# KiCad board untitled.kicad_pcb (continued)
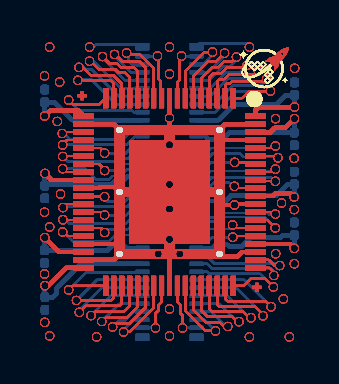
[diagram p0: board, top side]
## Routing (per net, layer and track width the routed paths; a pad name or vN(x,y) marks a point on that pad's centre or on a via; arc(x,y) is an arc through that point) (continued)
/PIN 27: length 361.8
  Top w0.2: 0.18,0.89 1.07,1.78 ; 0.18,0.89 v1(0.02,0.89) ; 0.18,0.89 1.07,1.78 ; 0.18,0.89 v1(0.02,0.89) ; 0.18,0.89 1.07,1.78 ; 0.18,0.89 v1(0.02,0.89) ; 0.18,0.89 1.07,1.78 ; 0.18,0.89 1.07,1.78 ; 0.18,0.89 v1(0.02,0.89) ; 0.18,0.89 1.07,1.78 ; 0.18,0.89 1.07,1.78 ; 0.18,0.89 v1(0.02,0.89) ; 0.18,0.89 1.07,1.78 ; 0.18,0.89 v1(0.02,0.89) ; 0.18,0.89 v1(0.02,0.89) ; 0.18,0.89 1.07,1.78 ; 0.18,0.89 1.07,1.78 ; 0.18,0.89 1.07,1.78 ; 0.18,0.89 v1(0.02,0.89) ; 0.18,0.89 1.07,1.78 ; 0.18,0.89 1.07,1.78 ; 0.18,0.89 v1(0.02,0.89) ; 0.18,0.89 v1(0.02,0.89) ; 0.18,0.89 v1(0.02,0.89) ; 0.18,0.89 v1(0.02,0.89) ; 0.18,0.89 v1(0.02,0.89) ; 0.18,0.89 1.07,1.78 ; 0.18,0.89 v1(0.02,0.89) ; 0.18,0.89 v1(0.02,0.89) ; 0.18,0.89 1.07,1.78 ; 0.18,0.89 1.07,1.78 ; 0.18,0.89 1.07,1.78 ; 0.18,0.89 1.07,1.78 ; 0.18,0.89 v1(0.02,0.89) ; 0.18,0.89 1.07,1.78 ; 0.18,0.89 1.07,1.78 ; 0.18,0.89 v1(0.02,0.89) ; 0.18,0.89 v1(0.02,0.89) ; 0.18,0.89 1.07,1.78 ; 0.18,0.89 v1(0.02,0.89) ; 0.18,0.89 v1(0.02,0.89) ; 0.18,0.89 v1(0.02,0.89) ; 0.18,0.89 1.07,1.78 ; 0.18,0.89 v1(0.02,0.89) ; 0.18,0.89 v1(0.02,0.89) ; 0.18,0.89 v1(0.02,0.89) ; 0.18,0.89 1.07,1.78 ; 0.18,0.89 v1(0.02,0.89) ; 0.18,0.89 v1(0.02,0.89) ; 0.18,0.89 v1(0.02,0.89) ; 0.18,0.89 v1(0.02,0.89) ; 0.18,0.89 v1(0.02,0.89) ; 0.18,0.89 1.07,1.78 ; 0.18,0.89 v1(0.02,0.89) ; 0.18,0.89 v1(0.02,0.89) ; 0.18,0.89 v1(0.02,0.89) ; 0.18,0.89 1.07,1.78 ; 0.18,0.89 v1(0.02,0.89) ; 0.18,0.89 1.07,1.78 ; 0.18,0.89 1.07,1.78 ; 0.18,0.89 v1(0.02,0.89) ; 0.18,0.89 1.07,1.78 ; 0.18,0.89 v1(0.02,0.89) ; 0.18,0.89 1.07,1.78 ; 0.18,0.89 1.07,1.78 ; 0.18,0.89 v1(0.02,0.89) ; 0.18,0.89 v1(0.02,0.89) ; 0.18,0.89 1.07,1.78 ; 0.18,0.89 1.07,1.78 ; 0.18,0.89 v1(0.02,0.89) ; 0.18,0.89 1.07,1.78 ; 0.18,0.89 1.07,1.78 ; 0.18,0.89 1.07,1.78 ; 0.18,0.89 1.07,1.78 ; 0.18,0.89 1.07,1.78 ; 0.18,0.89 1.07,1.78 ; 0.18,0.89 1.07,1.78 ; 0.18,0.89 1.07,1.78 ; 0.18,0.89 v1(0.02,0.89) ; 0.18,0.89 1.07,1.78 ; 0.18,0.89 v1(0.02,0.89) ; 0.18,0.89 1.07,1.78 ; 0.18,0.89 v1(0.02,0.89) ; 0.18,0.89 v1(0.02,0.89) ; 1.07,1.78 J158.37 ; 1.07,1.78 J158.37 ; 1.07,1.78 J158.37 ; 1.07,1.78 J158.37 ; 1.07,1.78 J158.37 ; 1.07,1.78 J158.37 ; 1.07,1.78 J158.37 ; 1.07,1.78 J158.37 ; 1.07,1.78 J158.37 ; 1.07,1.78 J158.37 ; 1.07,1.78 J158.37 ; 1.07,1.78 J158.37 ; 1.07,1.78 J158.37 ; 1.07,1.78 J158.37 ; 1.07,1.78 J158.37 ; 1.07,1.78 J158.37 ; 1.07,1.78 J158.37 ; 1.07,1.78 J158.37 ; 1.07,1.78 J158.37 ; 1.07,1.78 J158.37 ; 1.07,1.78 J158.37 ; 1.07,1.78 J158.37 ; 1.07,1.78 J158.37 ; 1.07,1.78 J158.37 ; 1.07,1.78 J158.37 ; 1.07,1.78 J158.37 ; 1.07,1.78 J158.37 ; 1.07,1.78 J158.37 ; 1.07,1.78 J158.37 ; 1.07,1.78 J158.37 ; 1.07,1.78 J158.37 ; 1.07,1.78 J158.37 ; 1.07,1.78 J158.37 ; 1.07,1.78 J158.37 ; 1.07,1.78 J158.37 ; 1.07,1.78 J158.37 ; 1.07,1.78 J158.37 ; 1.07,1.78 J158.37 ; 1.07,1.78 J158.37 ; 1.07,1.78 J158.37 ; 1.07,1.78 J158.37 ; 1.07,1.78 J158.37
  Bottom w0.2: 1.81,1.98 J173.44 ; 1.81,1.98 0.62,0.79 ; 1.81,1.98 0.62,0.79 ; 1.81,1.98 J173.44 ; 1.81,1.98 J173.44 ; 1.81,1.98 0.62,0.79 ; 1.81,1.98 J173.44 ; 1.81,1.98 0.62,0.79 ; 1.81,1.98 J173.44 ; 1.81,1.98 0.62,0.79 ; 1.81,1.98 0.62,0.79 ; 1.81,1.98 0.62,0.79 ; 1.81,1.98 J173.44 ; 1.81,1.98 J173.44 ; 1.81,1.98 0.62,0.79 ; 1.81,1.98 0.62,0.79 ; 1.81,1.98 0.62,0.79 ; 1.81,1.98 0.62,0.79 ; 1.81,1.98 0.62,0.79 ; 1.81,1.98 J173.44 ; 1.81,1.98 0.62,0.79 ; 1.81,1.98 J173.44 ; 1.81,1.98 0.62,0.79 ; 1.81,1.98 0.62,0.79 ; 1.81,1.98 J173.44 ; 1.81,1.98 0.62,0.79 ; 1.81,1.98 J173.44 ; 1.81,1.98 J173.44 ; 1.81,1.98 0.62,0.79 ; 1.81,1.98 J173.44 ; 1.81,1.98 J173.44 ; 1.81,1.98 0.62,0.79 ; 1.81,1.98 0.62,0.79 ; 1.81,1.98 0.62,0.79 ; 1.81,1.98 0.62,0.79 ; 1.81,1.98 J173.44 ; 1.81,1.98 J173.44 ; 1.81,1.98 J173.44 ; 1.81,1.98 J173.44 ; 1.81,1.98 0.62,0.79 ; 1.81,1.98 0.62,0.79 ; 1.81,1.98 0.62,0.79 ; 1.81,1.98 0.62,0.79 ; 1.81,1.98 J173.44 ; 1.81,1.98 0.62,0.79 ; 1.81,1.98 J173.44 ; 1.81,1.98 J173.44 ; 1.81,1.98 J173.44 ; 1.81,1.98 J173.44 ; 1.81,1.98 J173.44 ; 1.81,1.98 0.62,0.79 ; 1.81,1.98 J173.44 ; 1.81,1.98 J173.44 ; 1.81,1.98 J173.44 ; 1.81,1.98 J173.44 ; 1.81,1.98 J173.44 ; 1.81,1.98 J173.44 ; 1.81,1.98 0.62,0.79 ; 1.81,1.98 0.62,0.79 ; 1.81,1.98 J173.44 ; 1.81,1.98 J173.44 ; 1.81,1.98 0.62,0.79 ; 1.81,1.98 J173.44 ; 1.81,1.98 0.62,0.79 ; 1.81,1.98 0.62,0.79 ; 1.81,1.98 J173.44 ; 1.81,1.98 0.62,0.79 ; 1.81,1.98 J173.44 ; 1.81,1.98 0.62,0.79 ; 1.81,1.98 0.62,0.79 ; 1.81,1.98 0.62,0.79 ; 1.81,1.98 J173.44 ; 1.81,1.98 J173.44 ; 1.81,1.98 J173.44 ; 1.81,1.98 0.62,0.79 ; 1.81,1.98 0.62,0.79 ; 1.81,1.98 J173.44 ; 1.81,1.98 J173.44 ; 1.81,1.98 J173.44 ; 1.81,1.98 0.62,0.79 ; 1.81,1.98 0.62,0.79 ; 1.81,1.98 0.62,0.79 ; 1.81,1.98 J173.44 ; 1.81,1.98 0.62,0.79 ; 0.62,0.79 0.62,0.51 ; 0.62,0.79 0.62,0.51 ; 0.62,0.79 0.62,0.51 ; 0.62,0.79 0.62,0.51 ; 0.62,0.79 0.62,0.51 ; 0.62,0.79 0.62,0.51 ; 0.62,0.79 0.62,0.51 ; 0.62,0.79 0.62,0.51 ; 0.62,0.79 0.62,0.51 ; 0.62,0.79 0.62,0.51 ; 0.62,0.79 0.62,0.51 ; 0.62,0.79 0.62,0.51 ; 0.62,0.79 0.62,0.51 ; 0.62,0.79 0.62,0.51 ; 0.62,0.79 0.62,0.51 ; 0.62,0.79 0.62,0.51 ; 0.62,0.79 0.62,0.51 ; 0.62,0.79 0.62,0.51 ; 0.62,0.79 0.62,0.51 ; 0.62,0.79 0.62,0.51 ; 0.62,0.79 0.62,0.51 ; 0.62,0.79 0.62,0.51 ; 0.62,0.79 0.62,0.51 ; 0.62,0.79 0.62,0.51 ; 0.62,0.79 0.62,0.51 ; 0.62,0.79 0.62,0.51 ; 0.62,0.79 0.62,0.51 ; 0.62,0.79 0.62,0.51 ; 0.62,0.79 0.62,0.51 ; 0.62,0.79 0.62,0.51 ; 0.62,0.79 0.62,0.51 ; 0.62,0.79 0.62,0.51 ; 0.62,0.79 0.62,0.51 ; 0.62,0.79 0.62,0.51 ; 0.62,0.79 0.62,0.51 ; 0.62,0.79 0.62,0.51 ; 0.62,0.79 0.62,0.51 ; 0.62,0.79 0.62,0.51 ; 0.62,0.79 0.62,0.51 ; 0.62,0.79 0.62,0.51 ; 0.62,0.79 0.62,0.51 ; 0.62,0.79 0.62,0.51 ; 0.43,0.32 0.62,0.51 ; 0.43,0.32 0.62,0.51 ; 0.43,0.32 C269.1 ; 0.43,0.32 0.62,0.51 ; 0.43,0.32 0.62,0.51 ; 0.43,0.32 0.62,0.51 ; 0.43,0.32 C269.1 ; 0.43,0.32 C269.1 ; 0.43,0.32 0.62,0.51 ; 0.43,0.32 0.62,0.51 ; 0.43,0.32 0.62,0.51 ; 0.43,0.32 0.62,0.51 ; 0.43,0.32 0.62,0.51 ; 0.43,0.32 0.62,0.51 ; 0.43,0.32 C269.1 ; 0.43,0.32 C269.1 ; 0.43,0.32 C269.1 ; 0.43,0.32 C269.1 ; 0.43,0.32 C269.1 ; 0.43,0.32 0.62,0.51 ; 0.43,0.32 0.62,0.51 ; 0.43,0.32 0.62,0.51 ; 0.43,0.32 0.62,0.51 ; 0.43,0.32 C269.1 ; 0.43,0.32 0.62,0.51 ; 0.43,0.32 0.62,0.51 ; 0.43,0.32 C269.1 ; 0.43,0.32 C269.1 ; 0.43,0.32 0.62,0.51 ; 0.43,0.32 0.62,0.51 ; 0.43,0.32 C269.1 ; 0.43,0.32 C269.1 ; 0.43,0.32 C269.1 ; 0.43,0.32 C269.1 ; 0.43,0.32 C269.1 ; 0.43,0.32 0.62,0.51 ; 0.43,0.32 0.62,0.51 ; 0.43,0.32 C269.1 ; 0.43,0.32 0.62,0.51 ; 0.43,0.32 C269.1 ; 0.43,0.32 0.62,0.51 ; 0.43,0.32 0.62,0.51 ; 0.43,0.32 C269.1 ; 0.43,0.32 C269.1 ; 0.43,0.32 C269.1 ; 0.43,0.32 C269.1 ; 0.43,0.32 0.62,0.51 ; 0.43,0.32 0.62,0.51 ; 0.43,0.32 0.62,0.51 ; 0.43,0.32 C269.1 ; 0.43,0.32 0.62,0.51 ; 0.43,0.32 0.62,0.51 ; 0.43,0.32 0.62,0.51 ; 0.43,0.32 C269.1 ; 0.43,0.32 C269.1 ; 0.43,0.32 C269.1 ; 0.43,0.32 0.62,0.51 ; 0.43,0.32 C269.1 ; 0.43,0.32 C269.1 ; 0.43,0.32 C269.1 ; 0.43,0.32 0.62,0.51 ; 0.43,0.32 C269.1 ; 0.43,0.32 C269.1 ; 0.43,0.32 C269.1 ; 0.43,0.32 0.62,0.51 ; 0.43,0.32 0.62,0.51 ; 0.43,0.32 C269.1 ; 0.43,0.32 C269.1 ; 0.43,0.32 C269.1 ; 0.43,0.32 0.62,0.51 ; 0.43,0.32 0.62,0.51 ; 0.43,0.32 0.62,0.51 ; 0.43,0.32 0.62,0.51 ; 0.43,0.32 0.62,0.51 ; 0.43,0.32 0.62,0.51 ; 0.43,0.32 C269.1 ; 0.43,0.32 C269.1 ; 0.43,0.32 C269.1 ; 0.43,0.32 C269.1 ; 0.43,0.32 C269.1 ; 0.43,0.32 C269.1 ; 0.43,0.32 C269.1 ; 0.43,0.32 0.62,0.51 ; 0.43,0.32 0.62,0.51 ; C269.1 v1(0.02,0.89) ; C269.1 v1(0.02,0.89) ; C269.1 v1(0.02,0.89) ; C269.1 v1(0.02,0.89) ; C269.1 v1(0.02,0.89) ; C269.1 v1(0.02,0.89) ; C269.1 v1(0.02,0.89) ; C269.1 v1(0.02,0.89) ; C269.1 v1(0.02,0.89) ; C269.1 v1(0.02,0.89) ; C269.1 v1(0.02,0.89) ; C269.1 v1(0.02,0.89) ; C269.1 v1(0.02,0.89) ; C269.1 v1(0.02,0.89) ; C269.1 v1(0.02,0.89) ; C269.1 v1(0.02,0.89) ; C269.1 v1(0.02,0.89) ; C269.1 v1(0.02,0.89) ; C269.1 v1(0.02,0.89) ; C269.1 v1(0.02,0.89) ; C269.1 v1(0.02,0.89) ; C269.1 v1(0.02,0.89) ; C269.1 v1(0.02,0.89) ; C269.1 v1(0.02,0.89) ; C269.1 v1(0.02,0.89) ; C269.1 v1(0.02,0.89) ; C269.1 v1(0.02,0.89) ; C269.1 v1(0.02,0.89) ; C269.1 v1(0.02,0.89) ; C269.1 v1(0.02,0.89) ; C269.1 v1(0.02,0.89) ; C269.1 v1(0.02,0.89) ; C269.1 v1(0.02,0.89) ; C269.1 v1(0.02,0.89) ; C269.1 v1(0.02,0.89) ; C269.1 v1(0.02,0.89) ; C269.1 v1(0.02,0.89) ; C269.1 v1(0.02,0.89) ; C269.1 v1(0.02,0.89) ; C269.1 v1(0.02,0.89) ; C269.1 v1(0.02,0.89) ; C269.1 v1(0.02,0.89)
/PIN 28: length 252
  Top w0.1: J158.38 1.41,0.88 ; J158.38 1.41,0.88 ; J158.38 1.41,0.88 ; J158.38 1.41,0.88 ; J158.38 1.41,0.88 ; J158.38 1.41,0.88 ; J158.38 1.41,0.88 ; J158.38 1.41,0.88 ; J158.38 1.41,0.88 ; J158.38 1.41,0.88 ; J158.38 1.41,0.88 ; J158.38 1.41,0.88 ; J158.38 1.41,0.88 ; J158.38 1.41,0.88 ; J158.38 1.41,0.88 ; J158.38 1.41,0.88 ; J158.38 1.41,0.88 ; J158.38 1.41,0.88 ; J158.38 1.41,0.88 ; J158.38 1.41,0.88 ; J158.38 1.41,0.88 ; J158.38 1.41,0.88 ; J158.38 1.41,0.88 ; J158.38 1.41,0.88 ; J158.38 1.41,0.88 ; J158.38 1.41,0.88 ; J158.38 1.41,0.88 ; J158.38 1.41,0.88 ; J158.38 1.41,0.88 ; J158.38 1.41,0.88 ; J158.38 1.41,0.88 ; J158.38 1.41,0.88 ; J158.38 1.41,0.88 ; J158.38 1.41,0.88 ; J158.38 1.41,0.88 ; J158.38 1.41,0.88 ; J158.38 1.41,0.88 ; J158.38 1.41,0.88 ; J158.38 1.41,0.88 ; J158.38 1.41,0.88 ; J158.38 1.41,0.88 ; J158.38 1.41,0.88 ; 1.41,0.88 v1(1.21,0.68) ; 1.41,0.88 v1(1.21,0.68) ; 1.41,0.88 v1(1.21,0.68) ; 1.41,0.88 v1(1.21,0.68) ; 1.41,0.88 v1(1.21,0.68) ; 1.41,0.88 v1(1.21,0.68) ; 1.41,0.88 v1(1.21,0.68) ; 1.41,0.88 v1(1.21,0.68) ; 1.41,0.88 v1(1.21,0.68) ; 1.41,0.88 v1(1.21,0.68) ; 1.41,0.88 v1(1.21,0.68) ; 1.41,0.88 v1(1.21,0.68) ; 1.41,0.88 v1(1.21,0.68) ; 1.41,0.88 v1(1.21,0.68) ; 1.41,0.88 v1(1.21,0.68) ; 1.41,0.88 v1(1.21,0.68) ; 1.41,0.88 v1(1.21,0.68) ; 1.41,0.88 v1(1.21,0.68) ; 1.41,0.88 v1(1.21,0.68) ; 1.41,0.88 v1(1.21,0.68) ; 1.41,0.88 v1(1.21,0.68) ; 1.41,0.88 v1(1.21,0.68) ; 1.41,0.88 v1(1.21,0.68) ; 1.41,0.88 v1(1.21,0.68) ; 1.41,0.88 v1(1.21,0.68) ; 1.41,0.88 v1(1.21,0.68) ; 1.41,0.88 v1(1.21,0.68) ; 1.41,0.88 v1(1.21,0.68) ; 1.41,0.88 v1(1.21,0.68) ; 1.41,0.88 v1(1.21,0.68) ; 1.41,0.88 v1(1.21,0.68) ; 1.41,0.88 v1(1.21,0.68) ; 1.41,0.88 v1(1.21,0.68) ; 1.41,0.88 v1(1.21,0.68) ; 1.41,0.88 v1(1.21,0.68) ; 1.41,0.88 v1(1.21,0.68) ; 1.41,0.88 v1(1.21,0.68) ; 1.41,0.88 v1(1.21,0.68) ; 1.41,0.88 v1(1.21,0.68) ; 1.41,0.88 v1(1.21,0.68) ; 1.41,0.88 v1(1.21,0.68) ; 1.41,0.88 v1(1.21,0.68)
  Bottom w0.1: v1(1.21,0.68) 2.1,1.57 ; v1(1.21,0.68) 2.1,1.57 ; v1(1.21,0.68) 2.1,1.57 ; v1(1.21,0.68) 2.1,1.57 ; v1(1.21,0.68) 2.1,1.57 ; v1(1.21,0.68) 2.1,1.57 ; v1(1.21,0.68) 2.1,1.57 ; v1(1.21,0.68) 2.1,1.57 ; v1(1.21,0.68) 2.1,1.57 ; v1(1.21,0.68) 2.1,1.57 ; v1(1.21,0.68) 2.1,1.57 ; v1(1.21,0.68) 2.1,1.57 ; v1(1.21,0.68) 2.1,1.57 ; v1(1.21,0.68) 2.1,1.57 ; v1(1.21,0.68) 2.1,1.57 ; v1(1.21,0.68) 2.1,1.57 ; v1(1.21,0.68) 2.1,1.57 ; v1(1.21,0.68) 2.1,1.57 ; v1(1.21,0.68) 2.1,1.57 ; v1(1.21,0.68) 2.1,1.57 ; v1(1.21,0.68) 2.1,1.57 ; v1(1.21,0.68) 2.1,1.57 ; v1(1.21,0.68) 2.1,1.57 ; v1(1.21,0.68) 2.1,1.57 ; v1(1.21,0.68) 2.1,1.57 ; v1(1.21,0.68) 2.1,1.57 ; v1(1.21,0.68) 2.1,1.57 ; v1(1.21,0.68) 2.1,1.57 ; v1(1.21,0.68) 2.1,1.57 ; v1(1.21,0.68) 2.1,1.57 ; v1(1.21,0.68) 2.1,1.57 ; v1(1.21,0.68) 2.1,1.57 ; v1(1.21,0.68) 2.1,1.57 ; v1(1.21,0.68) 2.1,1.57 ; v1(1.21,0.68) 2.1,1.57 ; v1(1.21,0.68) 2.1,1.57 ; v1(1.21,0.68) 2.1,1.57 ; v1(1.21,0.68) 2.1,1.57 ; v1(1.21,0.68) 2.1,1.57 ; v1(1.21,0.68) 2.1,1.57 ; v1(1.21,0.68) 2.1,1.57 ; v1(1.21,0.68) 2.1,1.57 ; 2.1,1.57 4.89,1.57 ; 2.1,1.57 4.89,1.57 ; 2.1,1.57 4.89,1.57 ; 2.1,1.57 4.89,1.57 ; 2.1,1.57 4.89,1.57 ; 2.1,1.57 4.89,1.57 ; 2.1,1.57 4.89,1.57 ; 2.1,1.57 4.89,1.57 ; 2.1,1.57 4.89,1.57 ; 2.1,1.57 4.89,1.57 ; 2.1,1.57 4.89,1.57 ; 2.1,1.57 4.89,1.57 ; 2.1,1.57 4.89,1.57 ; 2.1,1.57 4.89,1.57 ; 2.1,1.57 4.89,1.57 ; 2.1,1.57 4.89,1.57 ; 2.1,1.57 4.89,1.57 ; 2.1,1.57 4.89,1.57 ; 2.1,1.57 4.89,1.57 ; 2.1,1.57 4.89,1.57 ; 2.1,1.57 4.89,1.57 ; 2.1,1.57 4.89,1.57 ; 2.1,1.57 4.89,1.57 ; 2.1,1.57 4.89,1.57 ; 2.1,1.57 4.89,1.57 ; 2.1,1.57 4.89,1.57 ; 2.1,1.57 4.89,1.57 ; 2.1,1.57 4.89,1.57 ; 2.1,1.57 4.89,1.57 ; 2.1,1.57 4.89,1.57 ; 2.1,1.57 4.89,1.57 ; 2.1,1.57 4.89,1.57 ; 2.1,1.57 4.89,1.57 ; 2.1,1.57 4.89,1.57 ; 2.1,1.57 4.89,1.57 ; 2.1,1.57 4.89,1.57 ; 2.1,1.57 4.89,1.57 ; 2.1,1.57 4.89,1.57 ; 2.1,1.57 4.89,1.57 ; 2.1,1.57 4.89,1.57 ; 2.1,1.57 4.89,1.57 ; 2.1,1.57 4.89,1.57 ; 4.89,1.57 J173.43 ; 4.89,1.57 J173.43 ; 4.89,1.57 J173.43 ; 4.89,1.57 J173.43 ; 4.89,1.57 J173.43 ; 4.89,1.57 J173.43 ; 4.89,1.57 J173.43 ; 4.89,1.57 J173.43 ; 4.89,1.57 J173.43 ; 4.89,1.57 J173.43 ; 4.89,1.57 J173.43 ; 4.89,1.57 J173.43 ; 4.89,1.57 J173.43 ; 4.89,1.57 J173.43 ; 4.89,1.57 J173.43 ; 4.89,1.57 J173.43 ; 4.89,1.57 J173.43 ; 4.89,1.57 J173.43 ; 4.89,1.57 J173.43 ; 4.89,1.57 J173.43 ; 4.89,1.57 J173.43 ; 4.89,1.57 J173.43 ; 4.89,1.57 J173.43 ; 4.89,1.57 J173.43 ; 4.89,1.57 J173.43 ; 4.89,1.57 J173.43 ; 4.89,1.57 J173.43 ; 4.89,1.57 J173.43 ; 4.89,1.57 J173.43 ; 4.89,1.57 J173.43 ; 4.89,1.57 J173.43 ; 4.89,1.57 J173.43 ; 4.89,1.57 J173.43 ; 4.89,1.57 J173.43 ; 4.89,1.57 J173.43 ; 4.89,1.57 J173.43 ; 4.89,1.57 J173.43 ; 4.89,1.57 J173.43 ; 4.89,1.57 J173.43 ; 4.89,1.57 J173.43 ; 4.89,1.57 J173.43 ; 4.89,1.57 J173.43
/PIN 29: length 262.8
  Top w0.1: 2.97,0.14 1.61,0.14 ; 2.97,0.14 3.32,0.14 ; 2.97,0.14 1.61,0.14 ; 2.97,0.14 1.61,0.14 ; 2.97,0.14 3.32,0.14 ; 2.97,0.14 3.32,0.14 ; 2.97,0.14 1.61,0.14 ; 2.97,0.14 3.32,0.14 ; 2.97,0.14 1.61,0.14 ; 2.97,0.14 1.61,0.14 ; 2.97,0.14 1.61,0.14 ; 2.97,0.14 1.61,0.14 ; 2.97,0.14 3.32,0.14 ; 2.97,0.14 3.32,0.14 ; 2.97,0.14 1.61,0.14 ; 2.97,0.14 1.61,0.14 ; 2.97,0.14 1.61,0.14 ; 2.97,0.14 1.61,0.14 ; 2.97,0.14 1.61,0.14 ; 2.97,0.14 1.61,0.14 ; 2.97,0.14 1.61,0.14 ; 2.97,0.14 3.32,0.14 ; 2.97,0.14 1.61,0.14 ; 2.97,0.14 3.32,0.14 ; 2.97,0.14 3.32,0.14 ; 2.97,0.14 1.61,0.14 ; 2.97,0.14 3.32,0.14 ; 2.97,0.14 3.32,0.14 ; 2.97,0.14 1.61,0.14 ; 2.97,0.14 3.32,0.14 ; 2.97,0.14 3.32,0.14 ; 2.97,0.14 3.32,0.14 ; 2.97,0.14 1.61,0.14 ; 2.97,0.14 3.32,0.14 ; 2.97,0.14 1.61,0.14 ; 2.97,0.14 3.32,0.14 ; 2.97,0.14 1.61,0.14 ; 2.97,0.14 1.61,0.14 ; 2.97,0.14 3.32,0.14 ; 2.97,0.14 1.61,0.14 ; 2.97,0.14 3.32,0.14 ; 2.97,0.14 1.61,0.14 ; 2.97,0.14 1.61,0.14 ; 2.97,0.14 3.32,0.14 ; 2.97,0.14 3.32,0.14 ; 2.97,0.14 3.32,0.14 ; 2.97,0.14 3.32,0.14 ; 2.97,0.14 3.32,0.14 ; 2.97,0.14 1.61,0.14 ; 2.97,0.14 1.61,0.14 ; 2.97,0.14 3.32,0.14 ; 2.97,0.14 3.32,0.14 ; 2.97,0.14 1.61,0.14 ; 2.97,0.14 3.32,0.14 ; 2.97,0.14 3.32,0.14 ; 2.97,0.14 3.32,0.14 ; 2.97,0.14 1.61,0.14 ; 2.97,0.14 3.32,0.14 ; 2.97,0.14 3.32,0.14 ; 2.97,0.14 3.32,0.14 ; 2.97,0.14 1.61,0.14 ; 2.97,0.14 1.61,0.14 ; 2.97,0.14 3.32,0.14 ; 2.97,0.14 3.32,0.14 ; 2.97,0.14 3.32,0.14 ; 2.97,0.14 3.32,0.14 ; 2.97,0.14 3.32,0.14 ; 2.97,0.14 3.32,0.14 ; 2.97,0.14 3.32,0.14 ; 2.97,0.14 3.32,0.14 ; 2.97,0.14 1.61,0.14 ; 2.97,0.14 3.32,0.14 ; 2.97,0.14 1.61,0.14 ; 2.97,0.14 1.61,0.14 ; 2.97,0.14 1.61,0.14 ; 2.97,0.14 1.61,0.14 ; 2.97,0.14 1.61,0.14 ; 2.97,0.14 3.32,0.14 ; 2.97,0.14 1.61,0.14 ; 2.97,0.14 1.61,0.14 ; 2.97,0.14 1.61,0.14 ; 2.97,0.14 1.61,0.14 ; 2.97,0.14 3.32,0.14 ; 2.97,0.14 1.61,0.14 ; 1.61,0.14 v1(1.6,0.16) ; 1.61,0.14 v1(1.6,0.16) ; 1.61,0.14 v1(1.6,0.16) ; 1.61,0.14 v1(1.6,0.16) ; 1.61,0.14 v1(1.6,0.16) ; 1.61,0.14 v1(1.6,0.16) ; 1.61,0.14 v1(1.6,0.16) ; 1.61,0.14 v1(1.6,0.16) ; 1.61,0.14 v1(1.6,0.16) ; 1.61,0.14 v1(1.6,0.16) ; 1.61,0.14 v1(1.6,0.16) ; 1.61,0.14 v1(1.6,0.16) ; 1.61,0.14 v1(1.6,0.16) ; 1.61,0.14 v1(1.6,0.16) ; 1.61,0.14 v1(1.6,0.16) ; 1.61,0.14 v1(1.6,0.16) ; 1.61,0.14 v1(1.6,0.16) ; 1.61,0.14 v1(1.6,0.16) ; 1.61,0.14 v1(1.6,0.16) ; 1.61,0.14 v1(1.6,0.16) ; 1.61,0.14 v1(1.6,0.16) ; 1.61,0.14 v1(1.6,0.16) ; 1.61,0.14 v1(1.6,0.16) ; 1.61,0.14 v1(1.6,0.16) ; 1.61,0.14 v1(1.6,0.16) ; 1.61,0.14 v1(1.6,0.16) ; 1.61,0.14 v1(1.6,0.16) ; 1.61,0.14 v1(1.6,0.16) ; 1.61,0.14 v1(1.6,0.16) ; 1.61,0.14 v1(1.6,0.16) ; 1.61,0.14 v1(1.6,0.16) ; 1.61,0.14 v1(1.6,0.16) ; 1.61,0.14 v1(1.6,0.16) ; 1.61,0.14 v1(1.6,0.16) ; 1.61,0.14 v1(1.6,0.16) ; 1.61,0.14 v1(1.6,0.16) ; 1.61,0.14 v1(1.6,0.16) ; 1.61,0.14 v1(1.6,0.16) ; 1.61,0.14 v1(1.6,0.16) ; 1.61,0.14 v1(1.6,0.16) ; 1.61,0.14 v1(1.6,0.16) ; 1.61,0.14 v1(1.6,0.16) ; 3.32,0.14 3.46,0.28 ; 3.32,0.14 3.46,0.28 ; 3.32,0.14 3.46,0.28 ; 3.32,0.14 3.46,0.28 ; 3.32,0.14 3.46,0.28 ; 3.32,0.14 3.46,0.28 ; 3.32,0.14 3.46,0.28 ; 3.32,0.14 3.46,0.28 ; 3.32,0.14 3.46,0.28 ; 3.32,0.14 3.46,0.28 ; 3.32,0.14 3.46,0.28 ; 3.32,0.14 3.46,0.28 ; 3.32,0.14 3.46,0.28 ; 3.32,0.14 3.46,0.28 ; 3.32,0.14 3.46,0.28 ; 3.32,0.14 3.46,0.28 ; 3.32,0.14 3.46,0.28 ; 3.32,0.14 3.46,0.28 ; 3.32,0.14 3.46,0.28 ; 3.32,0.14 3.46,0.28 ; 3.32,0.14 3.46,0.28 ; 3.32,0.14 3.46,0.28 ; 3.32,0.14 3.46,0.28 ; 3.32,0.14 3.46,0.28 ; 3.32,0.14 3.46,0.28 ; 3.32,0.14 3.46,0.28 ; 3.32,0.14 3.46,0.28 ; 3.32,0.14 3.46,0.28 ; 3.32,0.14 3.46,0.28 ; 3.32,0.14 3.46,0.28 ; 3.32,0.14 3.46,0.28 ; 3.32,0.14 3.46,0.28 ; 3.32,0.14 3.46,0.28 ; 3.32,0.14 3.46,0.28 ; 3.32,0.14 3.46,0.28 ; 3.32,0.14 3.46,0.28 ; 3.32,0.14 3.46,0.28 ; 3.32,0.14 3.46,0.28 ; 3.32,0.14 3.46,0.28 ; 3.32,0.14 3.46,0.28 ; 3.32,0.14 3.46,0.28 ; 3.32,0.14 3.46,0.28 ; 3.46,0.28 J158.39 ; 3.46,0.28 J158.39 ; 3.46,0.28 J158.39 ; 3.46,0.28 J158.39 ; 3.46,0.28 J158.39 ; 3.46,0.28 J158.39 ; 3.46,0.28 J158.39 ; 3.46,0.28 J158.39 ; 3.46,0.28 J158.39 ; 3.46,0.28 J158.39 ; 3.46,0.28 J158.39 ; 3.46,0.28 J158.39 ; 3.46,0.28 J158.39 ; 3.46,0.28 J158.39 ; 3.46,0.28 J158.39 ; 3.46,0.28 J158.39 ; 3.46,0.28 J158.39 ; 3.46,0.28 J158.39 ; 3.46,0.28 J158.39 ; 3.46,0.28 J158.39 ; 3.46,0.28 J158.39 ; 3.46,0.28 J158.39 ; 3.46,0.28 J158.39 ; 3.46,0.28 J158.39 ; 3.46,0.28 J158.39 ; 3.46,0.28 J158.39 ; 3.46,0.28 J158.39 ; 3.46,0.28 J158.39 ; 3.46,0.28 J158.39 ; 3.46,0.28 J158.39 ; 3.46,0.28 J158.39 ; 3.46,0.28 J158.39 ; 3.46,0.28 J158.39 ; 3.46,0.28 J158.39 ; 3.46,0.28 J158.39 ; 3.46,0.28 J158.39 ; 3.46,0.28 J158.39 ; 3.46,0.28 J158.39 ; 3.46,0.28 J158.39 ; 3.46,0.28 J158.39 ; 3.46,0.28 J158.39 ; 3.46,0.28 J158.39
  Bottom w0.1: v1(1.6,0.16) 2.62,1.18 ; v1(1.6,0.16) 2.62,1.18 ; v1(1.6,0.16) 2.62,1.18 ; v1(1.6,0.16) 2.62,1.18 ; v1(1.6,0.16) 2.62,1.18 ; v1(1.6,0.16) 2.62,1.18 ; v1(1.6,0.16) 2.62,1.18 ; v1(1.6,0.16) 2.62,1.18 ; v1(1.6,0.16) 2.62,1.18 ; v1(1.6,0.16) 2.62,1.18 ; v1(1.6,0.16) 2.62,1.18 ; v1(1.6,0.16) 2.62,1.18 ; v1(1.6,0.16) 2.62,1.18 ; v1(1.6,0.16) 2.62,1.18 ; v1(1.6,0.16) 2.62,1.18 ; v1(1.6,0.16) 2.62,1.18 ; v1(1.6,0.16) 2.62,1.18 ; v1(1.6,0.16) 2.62,1.18 ; v1(1.6,0.16) 2.62,1.18 ; v1(1.6,0.16) 2.62,1.18 ; v1(1.6,0.16) 2.62,1.18 ; v1(1.6,0.16) 2.62,1.18 ; v1(1.6,0.16) 2.62,1.18 ; v1(1.6,0.16) 2.62,1.18 ; v1(1.6,0.16) 2.62,1.18 ; v1(1.6,0.16) 2.62,1.18 ; v1(1.6,0.16) 2.62,1.18 ; v1(1.6,0.16) 2.62,1.18 ; v1(1.6,0.16) 2.62,1.18 ; v1(1.6,0.16) 2.62,1.18 ; v1(1.6,0.16) 2.62,1.18 ; v1(1.6,0.16) 2.62,1.18 ; v1(1.6,0.16) 2.62,1.18 ; v1(1.6,0.16) 2.62,1.18 ; v1(1.6,0.16) 2.62,1.18 ; v1(1.6,0.16) 2.62,1.18 ; v1(1.6,0.16) 2.62,1.18 ; v1(1.6,0.16) 2.62,1.18 ; v1(1.6,0.16) 2.62,1.18 ; v1(1.6,0.16) 2.62,1.18 ; v1(1.6,0.16) 2.62,1.18 ; v1(1.6,0.16) 2.62,1.18 ; 2.62,1.18 J173.42 ; 2.62,1.18 J173.42 ; 2.62,1.18 J173.42 ; 2.62,1.18 J173.42 ; 2.62,1.18 J173.42 ; 2.62,1.18 J173.42 ; 2.62,1.18 J173.42 ; 2.62,1.18 J173.42 ; 2.62,1.18 J173.42 ; 2.62,1.18 J173.42 ; 2.62,1.18 J173.42 ; 2.62,1.18 J173.42 ; 2.62,1.18 J173.42 ; 2.62,1.18 J173.42 ; 2.62,1.18 J173.42 ; 2.62,1.18 J173.42 ; 2.62,1.18 J173.42 ; 2.62,1.18 J173.42 ; 2.62,1.18 J173.42 ; 2.62,1.18 J173.42 ; 2.62,1.18 J173.42 ; 2.62,1.18 J173.42 ; 2.62,1.18 J173.42 ; 2.62,1.18 J173.42 ; 2.62,1.18 J173.42 ; 2.62,1.18 J173.42 ; 2.62,1.18 J173.42 ; 2.62,1.18 J173.42 ; 2.62,1.18 J173.42 ; 2.62,1.18 J173.42 ; 2.62,1.18 J173.42 ; 2.62,1.18 J173.42 ; 2.62,1.18 J173.42 ; 2.62,1.18 J173.42 ; 2.62,1.18 J173.42 ; 2.62,1.18 J173.42 ; 2.62,1.18 J173.42 ; 2.62,1.18 J173.42 ; 2.62,1.18 J173.42 ; 2.62,1.18 J173.42 ; 2.62,1.18 J173.42 ; 2.62,1.18 J173.42
/PIN 30: length 290.4
  Top w0.1: 3.86,-0.02 J158.40 ; 3.86,-0.02 J158.40 ; 3.86,-0.02 3.76,-0.12 ; 3.86,-0.02 J158.40 ; 3.86,-0.02 J158.40 ; 3.86,-0.02 3.76,-0.12 ; 3.86,-0.02 3.76,-0.12 ; 3.86,-0.02 J158.40 ; 3.86,-0.02 3.76,-0.12 ; 3.86,-0.02 J158.40 ; 3.86,-0.02 J158.40 ; 3.86,-0.02 3.76,-0.12 ; 3.86,-0.02 3.76,-0.12 ; 3.86,-0.02 J158.40 ; 3.86,-0.02 3.76,-0.12 ; 3.86,-0.02 3.76,-0.12 ; 3.86,-0.02 3.76,-0.12 ; 3.86,-0.02 3.76,-0.12 ; 3.86,-0.02 J158.40 ; 3.86,-0.02 3.76,-0.12 ; 3.86,-0.02 3.76,-0.12 ; 3.86,-0.02 3.76,-0.12 ; 3.86,-0.02 3.76,-0.12 ; 3.86,-0.02 J158.40 ; 3.86,-0.02 J158.40 ; 3.86,-0.02 3.76,-0.12 ; 3.86,-0.02 3.76,-0.12 ; 3.86,-0.02 J158.40 ; 3.86,-0.02 J158.40 ; 3.86,-0.02 J158.40 ; 3.86,-0.02 J158.40 ; 3.86,-0.02 3.76,-0.12 ; 3.86,-0.02 J158.40 ; 3.86,-0.02 J158.40 ; 3.86,-0.02 J158.40 ; 3.86,-0.02 3.76,-0.12 ; 3.86,-0.02 3.76,-0.12 ; 3.86,-0.02 3.76,-0.12 ; 3.86,-0.02 J158.40 ; 3.86,-0.02 J158.40 ; 3.86,-0.02 J158.40 ; 3.86,-0.02 3.76,-0.12 ; 3.86,-0.02 3.76,-0.12 ; 3.86,-0.02 3.76,-0.12 ; 3.86,-0.02 J158.40 ; 3.86,-0.02 3.76,-0.12 ; 3.86,-0.02 J158.40 ; 3.86,-0.02 3.76,-0.12 ; 3.86,-0.02 J158.40 ; 3.86,-0.02 J158.40 ; 3.86,-0.02 3.76,-0.12 ; 3.86,-0.02 3.76,-0.12 ; 3.86,-0.02 3.76,-0.12 ; 3.86,-0.02 J158.40 ; 3.86,-0.02 J158.40 ; 3.86,-0.02 3.76,-0.12 ; 3.86,-0.02 3.76,-0.12 ; 3.86,-0.02 J158.40 ; 3.86,-0.02 J158.40 ; 3.86,-0.02 J158.40 ; 3.86,-0.02 J158.40 ; 3.86,-0.02 3.76,-0.12 ; 3.86,-0.02 3.76,-0.12 ; 3.86,-0.02 3.76,-0.12 ; 3.86,-0.02 J158.40 ; 3.86,-0.02 3.76,-0.12 ; 3.86,-0.02 J158.40 ; 3.86,-0.02 J158.40 ; 3.86,-0.02 3.76,-0.12 ; 3.86,-0.02 3.76,-0.12 ; 3.86,-0.02 3.76,-0.12 ; 3.86,-0.02 J158.40 ; 3.86,-0.02 3.76,-0.12 ; 3.86,-0.02 J158.40 ; 3.86,-0.02 3.76,-0.12 ; 3.86,-0.02 3.76,-0.12 ; 3.86,-0.02 J158.40 ; 3.86,-0.02 3.76,-0.12 ; 3.86,-0.02 J158.40 ; 3.86,-0.02 3.76,-0.12 ; 3.86,-0.02 J158.40 ; 3.86,-0.02 J158.40 ; 3.86,-0.02 J158.40 ; 3.86,-0.02 J158.40 ; 3.76,-0.12 2.06,-0.12 ; 3.76,-0.12 2.06,-0.12 ; 3.76,-0.12 2.06,-0.12 ; 3.76,-0.12 2.06,-0.12 ; 3.76,-0.12 2.06,-0.12 ; 3.76,-0.12 2.06,-0.12 ; 3.76,-0.12 2.06,-0.12 ; 3.76,-0.12 2.06,-0.12 ; 3.76,-0.12 2.06,-0.12 ; 3.76,-0.12 2.06,-0.12 ; 3.76,-0.12 2.06,-0.12 ; 3.76,-0.12 2.06,-0.12 ; 3.76,-0.12 2.06,-0.12 ; 3.76,-0.12 2.06,-0.12 ; 3.76,-0.12 2.06,-0.12 ; 3.76,-0.12 2.06,-0.12 ; 3.76,-0.12 2.06,-0.12 ; 3.76,-0.12 2.06,-0.12 ; 3.76,-0.12 2.06,-0.12 ; 3.76,-0.12 2.06,-0.12 ; 3.76,-0.12 2.06,-0.12 ; 3.76,-0.12 2.06,-0.12 ; 3.76,-0.12 2.06,-0.12 ; 3.76,-0.12 2.06,-0.12 ; 3.76,-0.12 2.06,-0.12 ; 3.76,-0.12 2.06,-0.12 ; 3.76,-0.12 2.06,-0.12 ; 3.76,-0.12 2.06,-0.12 ; 3.76,-0.12 2.06,-0.12 ; 3.76,-0.12 2.06,-0.12 ; 3.76,-0.12 2.06,-0.12 ; 3.76,-0.12 2.06,-0.12 ; 3.76,-0.12 2.06,-0.12 ; 3.76,-0.12 2.06,-0.12 ; 3.76,-0.12 2.06,-0.12 ; 3.76,-0.12 2.06,-0.12 ; 3.76,-0.12 2.06,-0.12 ; 3.76,-0.12 2.06,-0.12 ; 3.76,-0.12 2.06,-0.12 ; 3.76,-0.12 2.06,-0.12 ; 3.76,-0.12 2.06,-0.12 ; 3.76,-0.12 2.06,-0.12 ; 2.06,-0.12 v1(1.74,-0.44) ; 2.06,-0.12 v1(1.74,-0.44) ; 2.06,-0.12 v1(1.74,-0.44) ; 2.06,-0.12 v1(1.74,-0.44) ; 2.06,-0.12 v1(1.74,-0.44) ; 2.06,-0.12 v1(1.74,-0.44) ; 2.06,-0.12 v1(1.74,-0.44) ; 2.06,-0.12 v1(1.74,-0.44) ; 2.06,-0.12 v1(1.74,-0.44) ; 2.06,-0.12 v1(1.74,-0.44) ; 2.06,-0.12 v1(1.74,-0.44) ; 2.06,-0.12 v1(1.74,-0.44) ; 2.06,-0.12 v1(1.74,-0.44) ; 2.06,-0.12 v1(1.74,-0.44) ; 2.06,-0.12 v1(1.74,-0.44) ; 2.06,-0.12 v1(1.74,-0.44) ; 2.06,-0.12 v1(1.74,-0.44) ; 2.06,-0.12 v1(1.74,-0.44) ; 2.06,-0.12 v1(1.74,-0.44) ; 2.06,-0.12 v1(1.74,-0.44) ; 2.06,-0.12 v1(1.74,-0.44) ; 2.06,-0.12 v1(1.74,-0.44) ; 2.06,-0.12 v1(1.74,-0.44) ; 2.06,-0.12 v1(1.74,-0.44) ; 2.06,-0.12 v1(1.74,-0.44) ; 2.06,-0.12 v1(1.74,-0.44) ; 2.06,-0.12 v1(1.74,-0.44) ; 2.06,-0.12 v1(1.74,-0.44) ; 2.06,-0.12 v1(1.74,-0.44) ; 2.06,-0.12 v1(1.74,-0.44) ; 2.06,-0.12 v1(1.74,-0.44) ; 2.06,-0.12 v1(1.74,-0.44) ; 2.06,-0.12 v1(1.74,-0.44) ; 2.06,-0.12 v1(1.74,-0.44) ; 2.06,-0.12 v1(1.74,-0.44) ; 2.06,-0.12 v1(1.74,-0.44) ; 2.06,-0.12 v1(1.74,-0.44) ; 2.06,-0.12 v1(1.74,-0.44) ; 2.06,-0.12 v1(1.74,-0.44) ; 2.06,-0.12 v1(1.74,-0.44) ; 2.06,-0.12 v1(1.74,-0.44) ; 2.06,-0.12 v1(1.74,-0.44)
  Bottom w0.1: 2.86,0.78 J173.41 ; 2.86,0.78 1.74,-0.34 ; 2.86,0.78 J173.41 ; 2.86,0.78 J173.41 ; 2.86,0.78 1.74,-0.34 ; 2.86,0.78 J173.41 ; 2.86,0.78 J173.41 ; 2.86,0.78 J173.41 ; 2.86,0.78 J173.41 ; 2.86,0.78 J173.41 ; 2.86,0.78 1.74,-0.34 ; 2.86,0.78 1.74,-0.34 ; 2.86,0.78 1.74,-0.34 ; 2.86,0.78 1.74,-0.34 ; 2.86,0.78 J173.41 ; 2.86,0.78 1.74,-0.34 ; 2.86,0.78 1.74,-0.34 ; 2.86,0.78 J173.41 ; 2.86,0.78 1.74,-0.34 ; 2.86,0.78 J173.41 ; 2.86,0.78 J173.41 ; 2.86,0.78 1.74,-0.34 ; 2.86,0.78 1.74,-0.34 ; 2.86,0.78 1.74,-0.34 ; 2.86,0.78 1.74,-0.34 ; 2.86,0.78 1.74,-0.34 ; 2.86,0.78 J173.41 ; 2.86,0.78 1.74,-0.34 ; 2.86,0.78 J173.41 ; 2.86,0.78 1.74,-0.34 ; 2.86,0.78 1.74,-0.34 ; 2.86,0.78 J173.41 ; 2.86,0.78 J173.41 ; 2.86,0.78 1.74,-0.34 ; 2.86,0.78 1.74,-0.34 ; 2.86,0.78 J173.41 ; 2.86,0.78 J173.41 ; 2.86,0.78 1.74,-0.34 ; 2.86,0.78 1.74,-0.34 ; 2.86,0.78 J173.41 ; 2.86,0.78 J173.41 ; 2.86,0.78 J173.41 ; 2.86,0.78 J173.41 ; 2.86,0.78 J173.41 ; 2.86,0.78 1.74,-0.34 ; 2.86,0.78 1.74,-0.34 ; 2.86,0.78 J173.41 ; 2.86,0.78 1.74,-0.34 ; 2.86,0.78 1.74,-0.34 ; 2.86,0.78 J173.41 ; 2.86,0.78 J173.41 ; 2.86,0.78 1.74,-0.34 ; 2.86,0.78 J173.41 ; 2.86,0.78 1.74,-0.34 ; 2.86,0.78 J173.41 ; 2.86,0.78 J173.41 ; 2.86,0.78 1.74,-0.34 ; 2.86,0.78 1.74,-0.34 ; 2.86,0.78 J173.41 ; 2.86,0.78 J173.41 ; 2.86,0.78 J173.41 ; 2.86,0.78 1.74,-0.34 ; 2.86,0.78 J173.41 ; 2.86,0.78 J173.41 ; 2.86,0.78 1.74,-0.34 ; 2.86,0.78 J173.41 ; 2.86,0.78 1.74,-0.34 ; 2.86,0.78 J173.41 ; 2.86,0.78 1.74,-0.34 ; 2.86,0.78 1.74,-0.34 ; 2.86,0.78 1.74,-0.34 ; 2.86,0.78 J173.41 ; 2.86,0.78 1.74,-0.34 ; 2.86,0.78 J173.41 ; 2.86,0.78 1.74,-0.34 ; 2.86,0.78 J173.41 ; 2.86,0.78 1.74,-0.34 ; 2.86,0.78 1.74,-0.34 ; 2.86,0.78 1.74,-0.34 ; 2.86,0.78 J173.41 ; 2.86,0.78 J173.41 ; 2.86,0.78 1.74,-0.34 ; 2.86,0.78 1.74,-0.34 ; 2.86,0.78 J173.41 ; 1.74,-0.34 v1(1.74,-0.44) ; 1.74,-0.34 v1(1.74,-0.44) ; 1.74,-0.34 v1(1.74,-0.44) ; 1.74,-0.34 v1(1.74,-0.44) ; 1.74,-0.34 v1(1.74,-0.44) ; 1.74,-0.34 v1(1.74,-0.44) ; 1.74,-0.34 v1(1.74,-0.44) ; 1.74,-0.34 v1(1.74,-0.44) ; 1.74,-0.34 v1(1.74,-0.44) ; 1.74,-0.34 v1(1.74,-0.44) ; 1.74,-0.34 v1(1.74,-0.44) ; 1.74,-0.34 v1(1.74,-0.44) ; 1.74,-0.34 v1(1.74,-0.44) ; 1.74,-0.34 v1(1.74,-0.44) ; 1.74,-0.34 v1(1.74,-0.44) ; 1.74,-0.34 v1(1.74,-0.44) ; 1.74,-0.34 v1(1.74,-0.44) ; 1.74,-0.34 v1(1.74,-0.44) ; 1.74,-0.34 v1(1.74,-0.44) ; 1.74,-0.34 v1(1.74,-0.44) ; 1.74,-0.34 v1(1.74,-0.44) ; 1.74,-0.34 v1(1.74,-0.44) ; 1.74,-0.34 v1(1.74,-0.44) ; 1.74,-0.34 v1(1.74,-0.44) ; 1.74,-0.34 v1(1.74,-0.44) ; 1.74,-0.34 v1(1.74,-0.44) ; 1.74,-0.34 v1(1.74,-0.44) ; 1.74,-0.34 v1(1.74,-0.44) ; 1.74,-0.34 v1(1.74,-0.44) ; 1.74,-0.34 v1(1.74,-0.44) ; 1.74,-0.34 v1(1.74,-0.44) ; 1.74,-0.34 v1(1.74,-0.44) ; 1.74,-0.34 v1(1.74,-0.44) ; 1.74,-0.34 v1(1.74,-0.44) ; 1.74,-0.34 v1(1.74,-0.44) ; 1.74,-0.34 v1(1.74,-0.44) ; 1.74,-0.34 v1(1.74,-0.44) ; 1.74,-0.34 v1(1.74,-0.44) ; 1.74,-0.34 v1(1.74,-0.44) ; 1.74,-0.34 v1(1.74,-0.44) ; 1.74,-0.34 v1(1.74,-0.44) ; 1.74,-0.34 v1(1.74,-0.44)
